# KiCad board 2000ATX.kicad_pcb (continued)
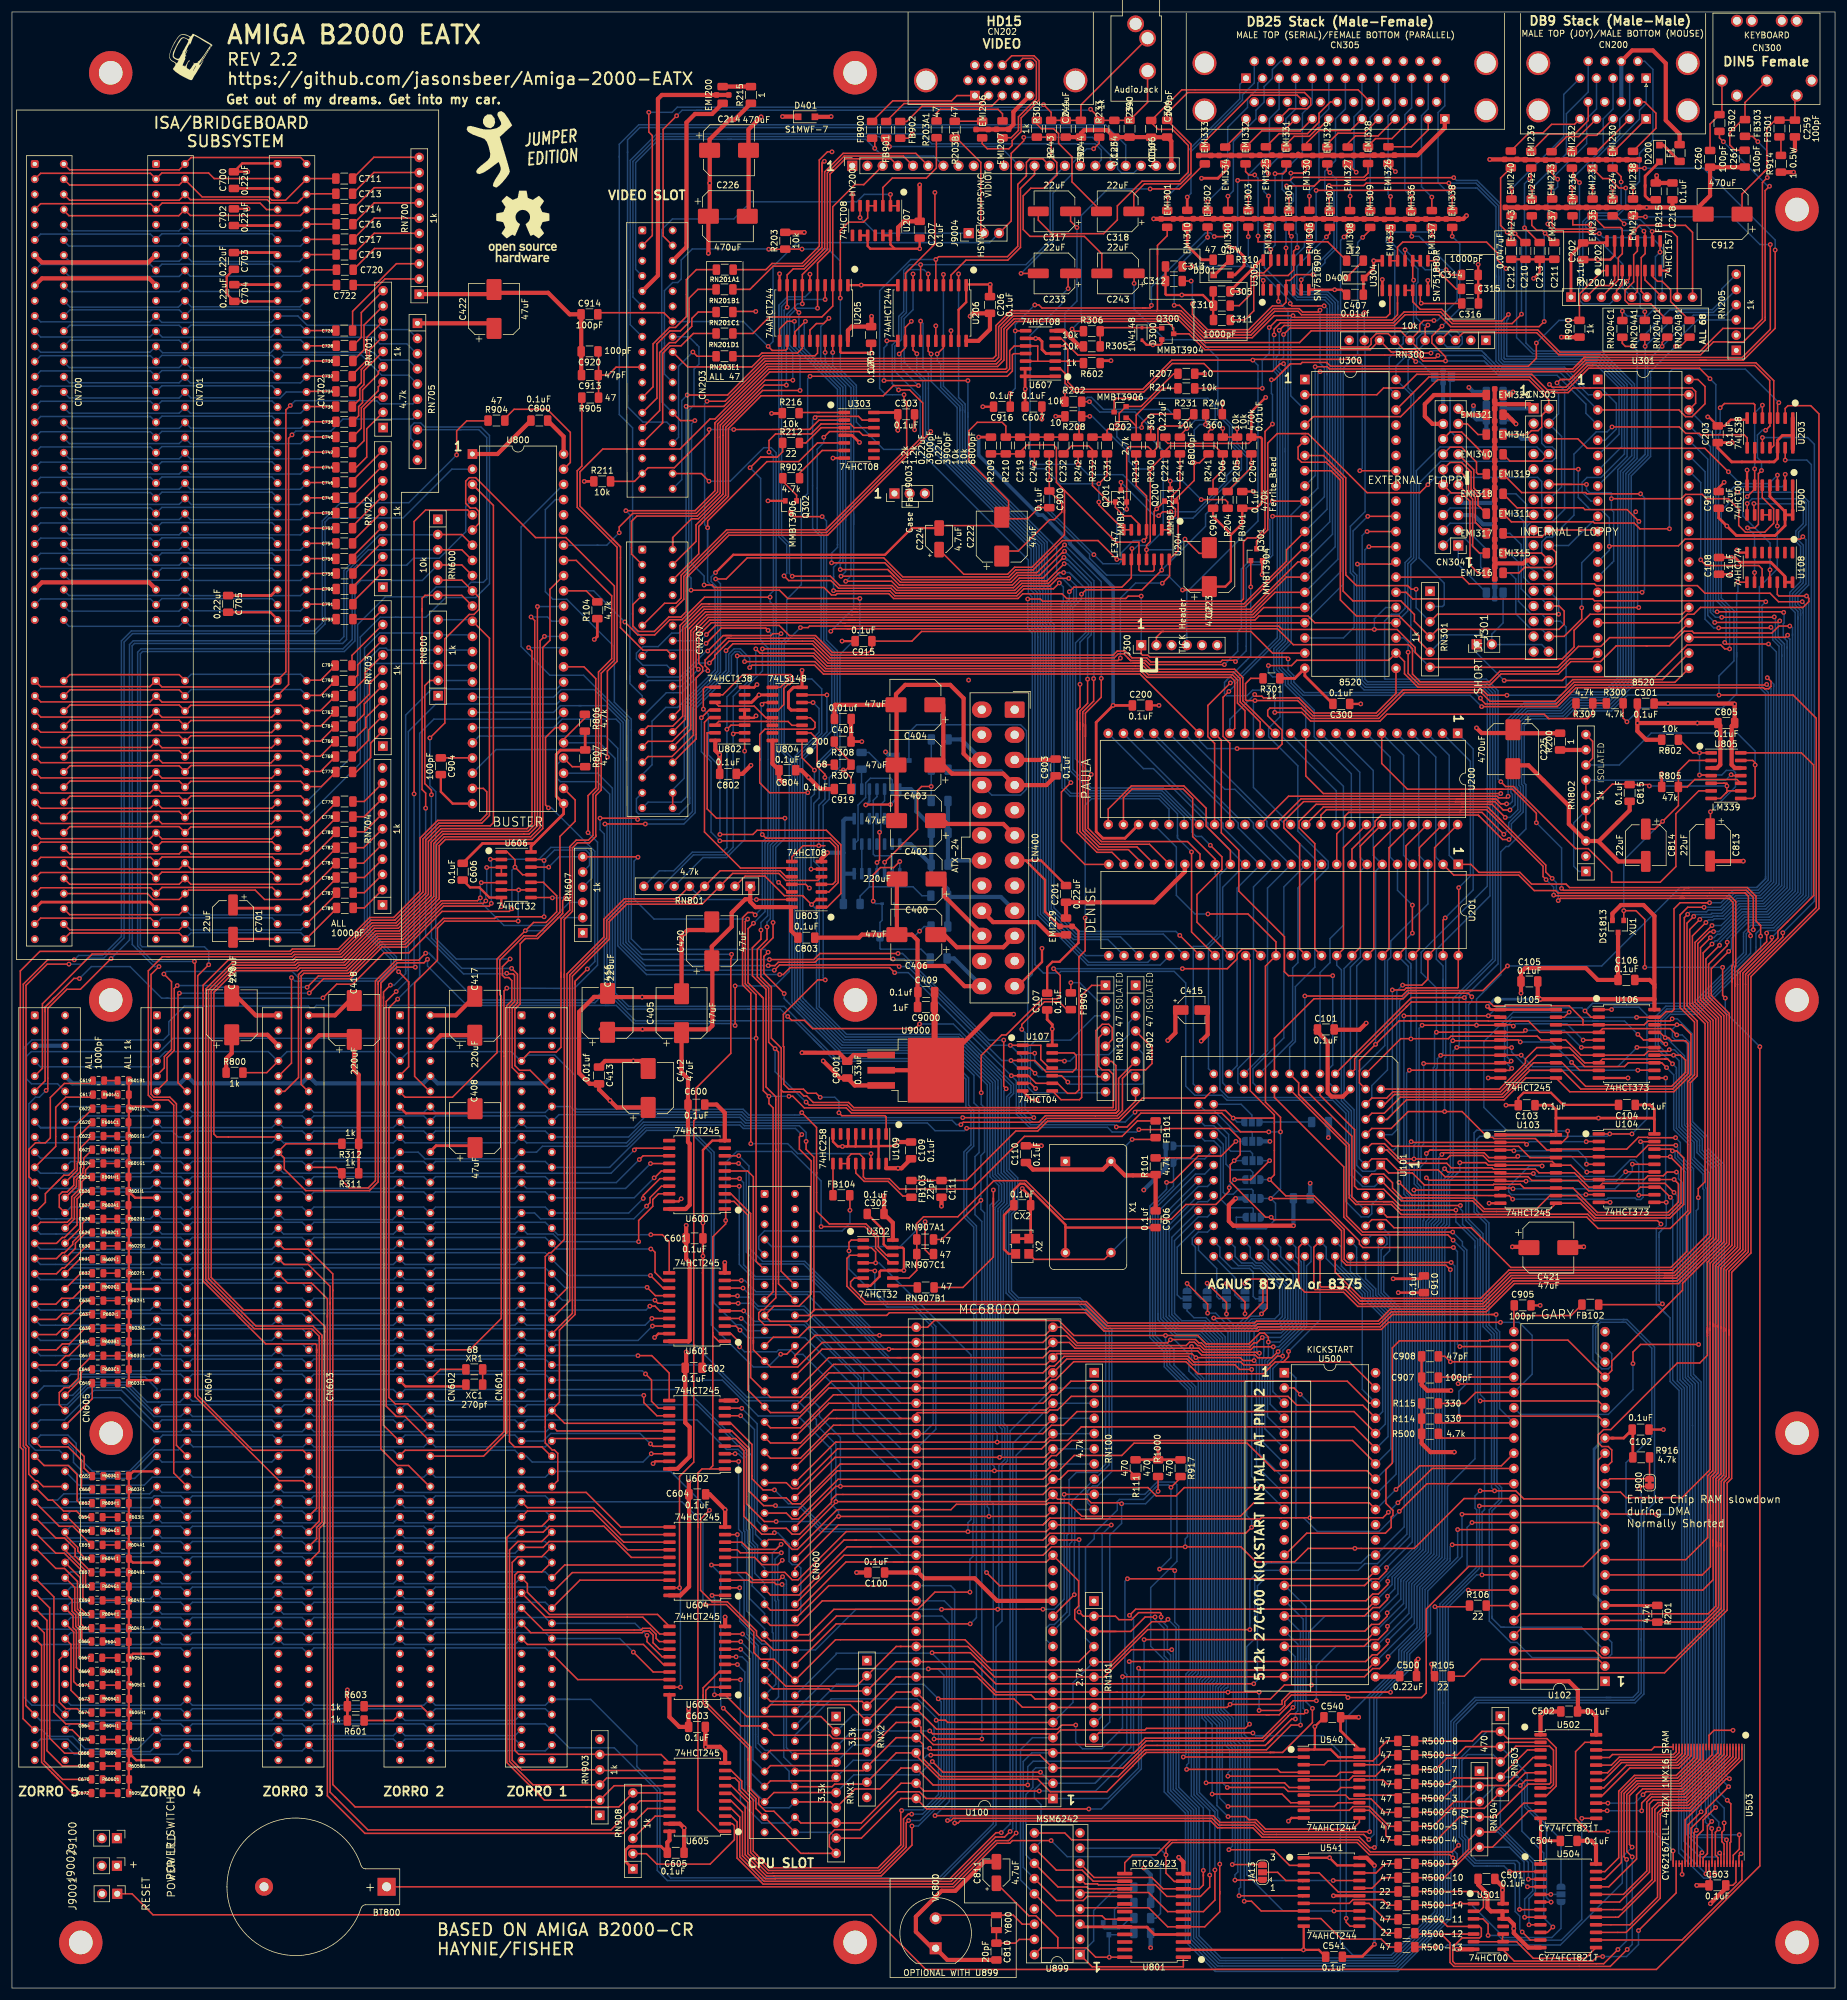
[diagram p0: board, top side]
## Routing (per net, layer and track width the routed paths; a pad name or vN(x,y) marks a point on that pad's centre or on a via; arc(x,y) is an arc through that point) (continued)
_INT3: length 72.6
  Top w0.25: v1(220.81,169.16) 213.41,169.16 212.74,169.83 212.74,175.67 205.12,183.29 205.12,190.1 202.19,193.03 202.19,208.53 U200.17
  Bottom w0.25: v1(220.81,169.16) 220.81,154.24 220.2,153.62 220.2,151.25 U101.17
_INT6: length 513.3
  Top w0.25: v1(69.16,172.92) 68,171.76 64.23,171.76 60.77,168.29 60.77,134.91 59.56,133.7 56.41,133.7 55.17,134.94 R311.2 54.18,137.13 CN603.22 ; v1(204.83,207.11) 211.58,207.11 212.35,207.88 212.35,210.19 209.95,212.59 209.95,213.51 210.33,213.88 215.58,213.88 217.31,212.16 228.51,212.16 232.82,216.47 245.67,216.47 247.11,215.02 257.95,215.02 258.92,215.99 258.94,215.99 261.13,218.19 278.03,218.19 U301.21 ; CN600.22 129.53,105.92 v1(128.53,105.92) ; U200.18 188.61,219.57 135.67,219.57 134.19,221.05 123.74,221.05 v1(123.34,220.65) ; v1(98.32,195.48) 104.39,195.48 v1(104.6,195.28)
  Bottom w0.25: 8.86,137.13 9.84,138.11 28.2,138.11 29.18,137.13 30.16,138.11 48.52,138.11 49.5,137.13 50.48,138.11 68.84,138.11 69.82,137.13 70.8,138.11 89.16,138.11 90.14,137.13 99.92,137.13 106.1,143.32 113.1,143.32 116.94,139.48 116.94,110.79 123.95,103.78 126.39,103.78 v1(128.53,105.92) ; 70.49,172.17 69.73,172.92 ; 69.73,172.92 77.56,165.09 97.27,165.09 99.03,166.85 99.03,192.84 98.32,193.55 v1(98.32,195.48) ; 69.73,172.92 v1(69.16,172.92) ; U200.18 198.53,208.43 199.85,207.11 v1(204.83,207.11) ; v1(104.6,195.28) 112.46,195.28 113.77,196.58 113.77,213.92 119.83,219.98 119.83,222.88 120.73,223.77 121.79,223.77 123.34,222.23 v1(123.34,220.65)
_IPL0: length 215.8
  Top w0.25: U804.9 128.47,217.35 v1(129.87,218.74) ; U100.25 172.63,91.22 v1(164.73,91.22) 137.69,91.22 CN600.40
  Bottom w0.25: U100.25 180.45,92.63 ; v1(129.87,218.74) 133.73,218.74 135.38,217.09 135.38,209.66 131.31,205.59 131.31,165.05 138.8,157.56 157.7,157.56 163.95,151.31 163.95,135.76 165.45,134.26 165.45,131.48 164.4,130.43 164.4,130.11 164.4,93.12 164.73,92.79 v1(164.73,91.22)
_IPL1: length 212.5
  Top w0.25: 147.51,88.68 v1(165.13,88.68) 172.63,88.68 U100.24 ; 147.51,88.68 137.62,88.68 130.91,81.97 CN600.42 ; 147.51,88.68 147.44,88.68 ; U804.7 v1(136.25,216.08)
  Bottom w0.25: U100.24 180.39,90.09 ; v1(136.25,216.08) 136.25,209.89 131.76,205.4 131.76,165.24 132.25,164.76 132.25,164.75 138.99,158.01 157.89,158.01 164.4,151.49 164.4,135.94 165.9,134.45 165.9,131.29 164.85,130.25 164.85,129.8 164.85,94.07 165.53,93.39 165.53,89.08 v1(165.13,88.68)
_IPL2: length 213.9
  Top w0.25: 148.47,86.43 v1(164.25,86.43) 172.92,86.43 U100.23 ; 148.47,86.43 147.25,86.43 ; 148.47,86.43 137.98,86.43 CN600.44 ; U804.6 v1(133.93,214.81)
  Bottom w0.25: U100.23 180.39,87.55 ; v1(133.93,214.81) 134.93,213.81 134.93,209.85 130.86,205.78 130.86,164.86 132.23,163.5 ; v1(164.25,86.43) 164.25,87.13 163.95,87.43 163.95,130.62 165,131.66 165,134.08 163.5,135.57 163.5,151.12 157.51,157.11 138.62,157.11 132.23,163.5 ; 132.23,163.5 132.06,163.66 ; 132.06,163.66 131.71,164.02 ; 132.06,163.66 131.35,164.38
_KBCLK: length 250.7
  Top w0.25: FB302.2 285.48,309.17 v1(286.13,308.52) ; v1(293.85,301.08) 293.11,300.35 293.11,279.19 293.11,278.71 289.48,275.07 284.47,275.07 282.32,272.92 258.6,272.92 254.91,276.61 242.63,276.61 RN300.3 ; U805.6 282.01,200.05 278.19,196.22 278.19,187.39 275.58,184.78 267.45,184.78 267.45,186.49 263.54,190.4 261.42,190.4 251.04,200.78 249.72,200.78 v1(248.92,201.57)
  Bottom w0.25: v1(293.85,301.08) 293.57,301.08 v1(286.13,308.52) ; RN300.3 240.23,276.46 235.73,276.46 234.86,275.59 234.86,274.48 231.39,271.02 U300.40 233.9,266.28 233.9,239.17 232.92,238.19 232.92,230.54 231.93,229.56 230.64,229.56 229.49,228.41 229.49,218.8 229.57,218.72 246.51,218.72 248.46,216.77 248.46,215.17 248.46,202.04 v1(248.92,201.57)
_KBRST: length 182.1
  Top w0.25: 285.31,73.78 285.31,63.63 283.34,61.65 ; 285.31,73.78 285.31,73.93 285.31,84.86 286.16,85.71 286.16,109.74 ; 285.31,73.78 285.31,74.52 ; U805.14 299.18,206.4 301.21,204.37 301.21,182.54 296.88,178.21 296.87,178.21 295.25,176.59 295.25,175.44 289.39,169.59 289.39,123.39 286.16,120.16 286.16,109.74 ; 286.16,109.74 286.16,110.35 ; 283.34,61.65 282.82,61.13 R201.2 274.8,61.42 U102.5 ; 283.34,61.65 283.11,61.42
_LATCH: length 54.1
  Top w0.25: U104.11 v1(276.58,131.29) ; U106.11 v1(276.48,152.07) ; FB102.1 275.82,114.2 v1(275.95,114.33)
  Bottom w0.25: 275.76,126.58 276.58,127.41 v1(276.58,131.29) 276.48,131.39 v1(276.48,152.07) ; 275.76,126.58 275.44,126.26 ; 275.76,126.58 275.38,126.21 275.38,125.44 ; 275.38,125.44 275.38,125.95 ; 275.38,125.44 275.38,114.89 v1(275.95,114.33)
_LDS: length 317.1
  Top w0.25: v1(153.21,53.32) 160.7,53.32 164.16,49.86 ; v1(208.51,49.43) v1(203.3,49.43) 184.81,49.43 ; v1(196.47,117.73) 199.9,114.3 v1(199.9,112.78) ; v1(208.51,46.38) 211.96,46.38 212.79,47.21 212.79,47.85 213.9,48.96 222.95,48.96 v1(223.37,48.54) 235.69,48.54 236.45,49.3 236.45,63.33 243.57,70.45 262.68,70.45 U102.10 ; 164.03,49.99 164.16,49.86 ; 164.16,49.86 164.57,49.45 U100.8 180.87,49.45 RN101.7 184.81,49.43 ; U605.7 120.25,33.81 123.03,31.03 123.03,22.46 126.33,19.17 127.22,19.17 127.24,19.19 145.15,19.19 149.5,23.55 149.5,27.58 v1(149.91,27.99) ; 184.81,49.43 184.61,49.43
  Bottom w0.25: v1(149.91,27.99) 151.81,27.99 155.81,31.99 155.81,52.29 154.78,53.32 v1(153.21,53.32) 137.9,53.32 CN600.70 ; JA12.1 v1(196.47,117.73) ; 174.07,49.43 U100.8 ; v1(203.3,49.43) 203.74,49.87 203.74,110.27 201.24,112.78 v1(199.9,112.78) 199.82,112.86 JA11.3 ; v1(208.51,49.43) v1(208.51,46.38)
_LED: length 251.9
  Top w0.25: U304.2 230.38,279.77 229.77,279.16 214.46,279.16 v1(214.17,279.45) 211.02,279.45 207.34,275.76 199.35,275.76 195.28,279.84 167.18,279.84 164.96,277.61 164.96,272.46 164.34,271.85 125.93,271.85 119.24,265.15 v1(116.21,265.15) ; v1(116.31,244.02) 116.31,245.15 126.22,255.07 131.55,255.07 134.67,258.19 U303.5
  Bottom w0.25: v1(116.31,244.02) 116.31,239.01 ; v1(116.31,244.02) 116.31,235 117.55,233.75 117.55,220.25 111.29,213.99 109.31,213.99 107.01,211.69 107.01,204.39 105.38,202.77 ; v1(116.31,244.02) 115.81,244.52 115.81,253.12 ; v1(116.21,265.15) 115.81,264.75 115.81,253.12 ; 115.81,253.12 115.81,252.75 ; v1(214.17,279.45) 213.8,279.07 213.8,266.06 U300.3
_MC1: length 242.3
  Top w0.25: v1(210.74,261.34) 209.5,260.1 209.5,243.84 207.97,242.31 206.55,242.31 205.89,241.66 205.89,232.11 205.53,231.74 172.31,231.74 171.94,232.11 v1(169.82,232.11) ; v1(260.17,278.67) R900.2 262.07,278.67 262.07,283.09 265.96,286.98 U202.1 ; v1(210.57,268.73) 211.07,268.73 213.74,271.4 ; v1(254.86,274.88) 254.86,272.34 253.53,271 220.46,271 219.89,271.56 219.89,271.64 215.71,271.64 215.47,271.4 213.74,271.4 ; 212.04,269.7 213.74,271.4
  Bottom w0.25: v1(254.86,274.88) 258.65,278.67 v1(260.17,278.67) ; v1(169.82,232.11) 169.82,227.18 170.59,226.41 170.59,169.37 169.82,168.6 169.82,150.57 170.8,149.59 182.66,149.59 RN102.8 ; v1(210.74,261.34) 210.74,266.27 210.57,266.45 v1(210.57,268.73)
_MTR: length 237.8
  Top w0.25: U108.12 295.15,232.87 295.4,232.61 v1(300.02,232.61) 300.42,232.21 300.42,231.69 299.44,230.7 282.31,230.7 281.17,229.56 280.12,229.56 278.7,228.14 U301.17 ; 284.41,73.9 284.41,85.24 285.26,86.09 285.26,110.46 ; 284.41,73.9 284.41,68.22 282.69,66.5 U102.7 ; 284.41,73.9 284.41,74.59 ; 285.26,110.46 285.26,120.54 288.49,123.76 288.49,167.69 288.49,169.96 292.95,174.41 ; 285.26,110.46 285.26,110.73 ; 284.41,74.59 284.41,74.89 284.41,74.59 ; 292.95,174.41 293.37,174.84 v1(293.37,176.28) ; 292.95,174.41 293.17,174.63
  Bottom w0.25: 295.36,177.33 294.72,176.7 293.54,176.7 293.37,176.53 v1(293.37,176.28) ; 295.36,177.33 295.11,177.08 ; 295.36,177.33 300.39,182.36 300.39,232.25 v1(300.02,232.61)
_OEB: length 165.6
  Top w0.25: U103.19 259.17,141.3 260.1,142.23 v1(260.1,143.21) ; v1(260.35,163.07) 259.51,162.23 U105.19
  Bottom w0.25: 249.25,161.32 249.1,161.17 ; 249.25,161.32 250.99,163.07 v1(260.35,163.07) ; 249.25,161.32 246.09,158.16 246.09,147.16 250.04,143.21 ; U102.4 267.47,57.75 267.47,55.8 266.88,55.21 254.16,55.21 251.62,57.75 250.56,57.75 246.99,61.33 246.99,79.91 248.6,81.52 248.6,83.43 247.82,84.21 247.82,109.29 246.48,110.62 246.48,127.66 244.45,129.69 244.45,142.9 244.9,143.35 249.89,143.35 250.04,143.21 ; 250.04,143.21 v1(260.1,143.21)
_OEL: length 162.5
  Top w0.25: v1(270.84,142.72) v1(267.13,142.72) U104.1 ; U106.1 v1(267.44,163.5)
  Bottom w0.25: U102.3 262.39,60.29 249.47,60.29 ; 248.08,142.32 247.57,142.32 ; 248.08,142.32 266.73,142.32 v1(267.13,142.72) ; 248.08,142.32 245.4,142.32 244.9,141.83 244.9,129.88 246.93,127.85 246.93,110.81 248.27,109.47 248.27,84.4 249.05,83.62 249.05,81.34 247.44,79.72 247.44,61.82 248.96,60.29 249.47,60.29 ; 247.44,61.93 247.44,62.13 ; v1(267.44,163.5) 267.84,163.9 272.02,163.9 273.35,162.56 273.35,145.24 v1(270.84,142.72) ; 249.47,60.29 249.08,60.29
_OVR: length 476.9
  Top w0.25: 36.17,142.21 36.17,142.21 ; 36.17,142.21 44.42,142.21 ; 36.17,142.21 34.24,142.21 33.76,142.7 33.76,166.39 37.38,170.01 47.73,170.01 48.18,170.46 55.85,170.46 61.12,175.74 65.15,175.74 71.42,182.02 71.42,190.88 72.47,191.92 86.91,191.92 88.75,193.76 88.75,224.01 89.94,225.2 89.94,233.73 U800.40 ; R115.1 242.89,97.69 244.72,99.52 U102.29 ; v1(248.86,111.24) 230.14,111.24 228.94,110.05 208.58,110.05 208.31,109.77 182.59,109.77 179.51,112.84 146.69,112.84 146.25,112.4 133.9,112.4 132.9,111.4 126.81,111.4 CN600.17 127.39,113.94 131.59,113.94 133.62,115.97 133.62,138.2 131.65,140.17 131.65,142.22 v1(132.05,142.62)
  Bottom w0.25: 24.1,142.21 25.08,141.23 43.44,141.23 44.42,142.21 45.4,141.23 63.76,141.23 64.74,142.21 65.72,141.23 84.08,141.23 85.06,142.21 86.04,141.23 102.75,141.23 105.73,144.22 121.69,144.22 122.27,143.64 130.98,143.64 132.02,142.61 ; U102.29 254.16,102.57 254.16,109.06 251.98,111.24 v1(248.86,111.24) ; CN604.17 23.25,141.23 4.79,141.23 CN605.17
_OWN: length 281.6
  Top w0.25: 91.8,168.94 91.8,178.65 93.26,180.12 93.26,190.73 94.34,191.81 96.36,191.81 97.15,192.6 97.15,199.45 98.06,200.36 98.06,219.91 100.27,222.11 100.27,232.63 94.35,238.56 U800.41 ; 91.8,168.94 91.8,169.74 ; 91.8,168.94 91.8,157.2 91.01,156.41 86.56,156.41 85.06,154.91 ; v1(132.05,146.28) 134.52,143.81 134.52,136.3 ; R800.2 42.6,152.96 CN603.7 ; 134.52,136.01 134.52,136.3 ; 134.52,136.3 134.52,129.81 136.65,127.68 142.78,127.68 144.85,125.62 144.85,123.82 146.23,122.44 U302.12 146.84,122.44
  Bottom w0.25: 85.06,154.91 83.5,156.47 66.3,156.47 64.74,154.91 63.18,156.47 45.98,156.47 44.42,154.91 42.86,156.47 25.66,156.47 23.12,153.93 4.76,153.93 3.78,154.91 ; CN601.7 86.17,155.89 90.74,155.89 94.1,152.54 94.1,147.2 94.46,146.84 122.25,146.84 123.2,145.89 131.67,145.89 132.06,146.28
_PACK: length 203.7
  Top w0.25: 140.98,228.59 207.82,228.59 208.49,229.27 216.69,229.27 217.82,228.14 U300.24 ; 140.98,228.59 139.8,228.59 ; 140.98,228.59 116.66,228.59 114.38,226.32 114.38,220.74 v1(114.76,220.37) ; v1(236.73,277.88) 236.27,277.42 RN300.5 ; EMI335.1 v1(230.48,292.1)
  Bottom w0.25: v1(236.73,277.88) 236.01,277.88 234.79,279.1 234.79,284.77 235.07,285.05 235.07,287.25 230.48,291.84 v1(230.48,292.1) ; U300.24 233.37,230.12 233.37,238 234.35,238.98 234.35,266.47 233.43,267.39 233.43,272.03 236.27,274.88 RN300.5 ; v1(114.76,220.37) 111.89,217.51 CN207.20
_RAMEN: length 96.4
  Top w0.25: U102.20 264.93,100.93 241.84,100.93 v1(241.78,100.99) ; U101.25 211.07,148.81 222.67,137.22 222.67,128.83 225.65,125.85 240.06,125.85 v1(240.94,124.97)
  Bottom w0.25: v1(240.94,124.97) 242.79,123.13 242.79,101.99 v1(241.78,100.99)
_RAS0: length 135.1
  Top w0.25: U541.17 225.27,17.96 v1(220.9,17.96)
  Bottom w0.25: v1(220.9,17.96) 208.42,17.96 206.92,19.47 206.92,41.49 205.99,42.42 205.99,109.94 207.42,111.37 211.56,111.37 212.4,112.21 212.4,117.13 208.83,120.71 207.84,120.71 207.39,121.16 205.58,121.16 204.49,122.25 204.49,123.78 U101.57
_RAS1: length 135.5
  Top w0.25: v1(221.04,12.88) U541.13
  Bottom w0.25: 221.15,12.88 v1(221.04,12.88) 212.52,12.88 206.47,18.93 206.47,41.18 205.54,42.11 205.54,110.13 207.23,111.82 211.13,111.82 211.95,112.64 211.95,116.95 208.64,120.26 207.65,120.26 207.2,120.71 205.02,120.71 U101.56
_REGEN: length 101.2
  Top w0.25: v1(241.91,95.53) 241.94,95.56 265.22,95.56 U102.18 ; U101.23 213.61,150.2 223.12,140.69 223.12,129.02 225.82,126.32 v1(240.87,126.32)
  Bottom w0.25: v1(240.87,126.32) 242.5,124.69 242.5,124.05 243.24,123.31 243.24,101.05 241.91,99.72 v1(241.91,95.53)
_ROMEN: length 271
  Top w0.25: U102.21 260.14,108.26 246.99,108.26 246.87,108.15 231.96,108.15 230.77,106.96 230.77,87.69 229.72,86.64 229.72,80.98 230.89,79.81 230.89,78.99 230.59,78.7 230.59,76.97 229.62,76 216.47,76 212.8,72.34 ; U102.21 267.47,103.18 267.47,104.78 274.79,112.1 ; U102.21 265.22,103.18 ; 274.79,112.1 279.3,116.61 279.3,117.75 286.21,124.67 286.21,162.49 283.21,165.49 283.21,171.96 v1(285.5,174.24) ; 274.79,112.1 277.03,114.33 ; U900.9 291.24,246.29 v1(291.24,248.06)
  Bottom w0.25: 290.19,178.95 291.21,178.95 ; 291.21,178.95 293.79,178.95 298.14,183.29 298.14,229.84 297.24,230.74 297.24,233.21 299.04,235.01 299.04,240.91 298.24,241.71 298.24,243.45 299.49,244.7 299.49,247.43 298.91,248.01 291.29,248.01 v1(291.24,248.06) ; 291.21,178.95 289.7,178.95 285.5,174.75 v1(285.5,174.24)
_RST: length 720
  Top w0.25: v1(245.77,69.04) U102.41 ; 242.31,199.6 v1(248.91,199.6) ; 242.31,199.6 219.25,199.6 216.31,202.54 U200.11 ; 242.31,199.6 242.82,199.6 ; v1(178.41,74.93) 178.33,74.85 U100.18 172.92,73.73 143.61,73.73 139.63,73.73 131.59,65.68 126.81,65.68 CN600.53 ; v1(212.6,271.42) 212.01,271.42 210.74,270.15 200.58,270.15 199.29,271.45 193.98,271.45 189.23,266.7 177.55,266.7 176.07,268.18 176.07,269.8 175.31,270.56 174.33,270.56 ; v1(242.82,165.51) 233.98,165.51 U101.16 ; v1(178.41,62.84) 179.12,62.13 RN101.2 184.51,62.13 185.08,61.56 187.19,61.56 188.36,62.73 191.97,62.73 192.13,62.57 v1(192.13,62) 192,61.87
  Bottom w0.25: CN604.53 23.42,96.49 19.13,100.78 12.54,100.78 9.23,97.47 4.79,97.47 CN605.53 ; 212.9,267.2 212.9,270.97 ; 212.9,267.2 212.9,267.36 ; 212.9,267.2 212.9,256.7 ; 212.9,270.97 212.9,271.23 ; 212.9,270.97 212.6,271.27 v1(212.6,271.42) ; v1(242.82,165.51) 242.93,165.4 ; v1(242.82,165.51) 243.08,165.25 243.08,128.27 245.49,125.85 245.49,124.08 ; v1(242.82,165.51) 248.46,171.14 248.46,199.14 v1(248.91,199.6) ; 212.9,256.7 212.9,225.08 211.42,223.6 211.42,220.29 212.9,218.82 212.9,217.74 216.31,214.33 U200.11 ; 212.9,256.7 212.9,257.3 ; 245.49,124.08 245.49,99.15 246.2,98.45 246.2,79.94 245.79,79.53 245.79,69.94 245.77,69.93 v1(245.77,69.04) 244.88,69.04 239.65,63.8 239.65,12.01 231.33,3.69 202.31,3.69 201.54,3.69 197.1,8.13 197.1,29.59 193.71,32.98 193.71,55.66 193.18,56.19 193.18,60.38 192.13,61.44 v1(192.13,62) ; 245.49,124.08 245.49,125.28 ; CN600.53 125.83,67.66 124.2,69.29 124.2,73.78 123.42,74.56 123.42,76.61 123.24,76.78 123.24,88.78 114.52,97.5 114.49,97.47 86.17,97.47 CN601.53 ; 85.06,96.49 84.08,97.47 65.72,97.47 64.74,96.49 ; 24.1,96.49 25.08,97.47 43.44,97.47 44.42,96.49 ; v1(178.41,62.84) v1(178.41,74.93) ; CN603.53 45.53,97.47 63.89,97.47 CN602.53
_RxD: length 95.6
  Top w0.25: U305.3 v1(211.73,281.84)
  Bottom w0.25: U200.41 223.93,202.91 217.72,209.11 217.72,213.55 213.35,217.92 213.35,219.01 211.87,220.48 211.87,223.42 213.35,224.89 213.35,280.23 v1(211.73,281.84)
_SEL0: length 256.4
  Top w0.25: U102.16 265.22,88.23 265.22,83.74 266.09,82.86 268.94,82.86 269.85,81.95 279.22,81.95 283.91,86.64 283.91,109.97 ; 271.32,241 271.02,241 ; 271.32,241 278.61,241 279.74,242.12 299.02,242.12 v1(299.42,242.52) ; 271.32,241 267.16,241 v1(267.06,240.9) ; 283.91,109.97 283.91,110.94 ; 283.91,109.97 283.91,110.27 ; 283.91,110.94 283.91,111.29 ; 283.91,110.94 283.91,121.09 287.11,124.3 287.11,162.86 284.11,165.87 284.11,170.32 v1(287.02,173.23) ; CN303.10 v1(261.87,253.8)
  Bottom w0.25: 262.33,248.61 261.87,249.07 v1(261.87,253.8) ; 262.33,248.61 261.93,249.01 ; 262.33,248.61 263.89,247.05 265.67,247.05 267.06,245.65 v1(267.06,240.9) 267.06,240.24 U301.13 ; v1(299.42,242.52) 299.94,242 299.94,234.64 298.14,232.84 298.14,231.11 299.04,230.21 299.04,229.39 ; 291.85,178.05 290.13,178.05 287.49,175.41 287.49,173.7 v1(287.02,173.23) ; 291.85,178.05 294.16,178.05 299.04,182.92 299.04,229.39 ; 291.85,178.05 290.56,178.05 ; 299.04,229.39 299.04,229.72
_SEL1: length 70.9
  Top w0.25: v1(263.25,251.26) CN303.12 260.76,251.26 ; U900.5 292.63,249.08 294.53,247.19 294.53,244.75 293.05,243.27 289.82,243.27 288.7,244.39 288.7,247.14 286.97,248.87 283.31,248.87 282.59,249.59 279.83,249.59 279.11,248.87 v1(267.41,248.87)
  Bottom w0.25: 264.57,249.88 263.76,249.88 263.25,250.39 v1(263.25,251.26) ; 264.57,249.88 267.32,249.88 267.41,249.78 v1(267.41,248.87) 267.41,247.04 267.79,246.66 267.79,238.43 267.49,238.13 ; 264.57,249.88 265.38,249.88 ; 267.51,238.15 267.49,238.13 ; 267.49,238.13 U301.14
_SEL2: length 48.7
  Top w0.25: EMI319.1 252.4,249.89 263.11,249.89 263.32,249.68 v1(272.29,249.68) ; U301.15 v1(272.54,233.22)
  Bottom w0.25: v1(272.29,249.68) 272.94,249.03 272.94,233.62 v1(272.54,233.22)
_SEL3: length 46
  Top w0.25: U301.16 v1(271.98,230.68) ; EMI318.1 251.63,247.35 262.68,247.35 262.98,247.05 270.04,247.05 v1(272.01,245.08)
  Bottom w0.25: v1(272.01,245.08) 271.79,244.86 271.79,230.88 v1(271.98,230.68)
_SIDE: length 35.3
  Top w0.25: CN303.32 259.51,225.86 262.45,228.79 v1(262.45,230.63)
  Bottom w0.25: CN303.32 255.76,227.03 254.03,227.03 251.42,229.63 251.42,235.46 250.41,236.47 EMI313.1 ; v1(262.45,230.63) 262.45,238.16 U301.12
_SLAVE1: length 145.5
  Top w0.25: 3.78,152.37 5.09,153.68 5.09,164.47 13.4,172.78 46.67,172.78 47.07,173.18 54.74,173.18 60.01,178.44 64.03,178.44 64.03,178.45 68.71,183.14 68.71,192.01 71.37,194.66 78.56,194.66 79.83,195.94 79.83,225.55 U800.12 76.73,228.65
  Bottom w0.25: 76.73,228.65 RN800.6 70.93,228.96
_SLAVE2: length 133.7
  Top w0.25: 24.1,152.37 25.48,153.75 25.48,155.65 26.68,156.85 26.68,168.17 25.5,169.34 25.48,169.32 ; 76.73,226.11 U800.13
  Bottom w0.25: 25.5,169.34 25.48,169.32 ; 76.73,226.11 RN800.5 70.93,226.42 61.46,226.42 58.95,223.91 58.95,176.36 63.38,171.93 63.38,170.51 62.49,169.62 ; v1(25.4,169.44) 25.83,169.87 46.87,169.87 48.03,168.71 61.58,168.71 62.49,169.62 ; 61.68,168.81 62.49,169.62
_SLAVE3: length 108.5
  Top w0.25: 76.73,223.57 U800.14 ; CN603.9 46.73,154.55 v1(46.73,168.84)
  Bottom w0.25: 46.71,168.86 47.31,168.26 61.76,168.26 62.43,168.92 ; 59.4,221.12 59.4,176.55 63.83,172.11 63.83,170.32 62.43,168.92 ; 59.4,221.12 59.4,221.2 ; 59.4,221.12 59.4,221.82 61.46,223.88 62.54,223.88 62.85,223.57 RN800.4 76.73,223.57 ; 62.43,168.92 61.87,168.36
_SLAVE4: length 90.9
  Top w0.25: 66.32,168.1 66.32,167.64 ; 66.32,167.64 66.32,153.95 64.74,152.37 ; 66.32,167.64 66.32,168.15 v1(64.64,169.82) ; 76.73,221.03 U800.15
  Bottom w0.25: 59.85,219.54 59.85,219.23 ; 59.85,219.23 59.85,176.73 64.28,172.3 64.28,170.19 v1(64.64,169.82) ; 59.85,219.23 59.85,221.33 59.86,221.34 70.93,221.34 RN800.3 76.73,221.03 ; 64.28,170.14 64.59,169.82
_SLAVE5: length 86
  Top w0.25: 85.06,152.37 83.63,153.8 83.63,163.79 83.67,163.79 84.51,164.63 84.51,169.41 v1(83.54,170.38) ; RN800.2 69.88,218.49 69.02,217.63 69.02,201.26 70.13,200.15 v1(70.13,199.39) ; 76.73,218.49 U800.16
  Bottom w0.25: RN800.2 76.73,218.49 ; v1(83.54,170.38) 75.21,170.38 70.13,175.46 v1(70.13,199.39)
_STEP: length 23.3
  Top w0.25: EMI316.1 251.97,236.47 252.88,237.38 257.5,237.38 258.12,237.99 258.12,239.92 CN303.20
  Bottom w0.25: U301.10 260.25,241.05 256.99,241.05 CN303.20
_TxD: length 122
  Top w0.25: U304.9 U304.10 234.19,285.55 v1(234.34,285.39) ; v1(212.6,276.3) 213.66,277.36 233.98,277.36 v1(234.37,277.75)
  Bottom w0.25: U200.40 221.39,200.08 212.45,209.02 212.45,218.63 210.97,220.11 210.97,223.79 212.45,225.26 212.45,270 211.84,270.61 211.84,271.74 212.6,272.5 v1(212.6,276.3) ; v1(234.37,277.75) 234.34,277.77 v1(234.34,285.39)
_UDS: length 321.5
  Top w0.25: v1(150.42,29.06) 149.85,29.06 149.05,28.26 149.05,23.73 144.96,19.64 126.5,19.64 123.48,22.65 123.48,31.21 121.57,33.13 121.57,34.4 120.89,35.08 U605.8 ; v1(199.82,117.77) 203.06,114.53 v1(203.06,112.63) ; 225.4,49.43 v1(230.48,49.43) 214.53,49.43 ; U102.11 265.22,77.78 v1(244.1,77.78) ; v1(154.86,48.33) 167.54,48.31 168.94,46.91 U100.7 174.07,46.89 RN101.8 203.15,46.89 v1(203.66,47.4) 212.34,47.4 212.34,48.03 213.73,49.43 214.53,49.43 ; 214.53,49.43 220.57,49.43
  Bottom w0.25: 155.36,45.4 155.36,44.79 ; 155.36,44.79 155.36,32.18 152.24,29.06 v1(150.42,29.06) ; 155.36,44.79 155.36,47.83 v1(154.86,48.33) 152.44,50.76 137.87,50.76 CN600.72 ; v1(230.48,49.43) 230.48,50.03 233.66,53.22 233.66,55.78 237.16,59.27 237.16,64.04 243.29,70.17 243.29,76.97 v1(244.1,77.78) ; 174.17,47.04 U100.7 ; v1(203.66,47.4) 204.19,47.93 204.19,110.88 203.06,112.01 v1(203.06,112.63) JA10.3 ; JA11.1 v1(199.82,117.77)
_VC1: length 240.6
  Top w0.25: v1(132.77,148.04) 133.29,147.53 139.67,147.53 140.53,146.67 184.41,146.67 184.57,146.83 184.57,154.14 183.87,154.84 RN102.6 ; 116.51,251.77 v1(116.54,251.79) 115.26,253.07 CN203.34 ; CN600.16 128.15,117.68 128.15,156.4 v1(127.59,156.97) 126.51,158.04 126.51,167.07 124.61,168.97 124.61,173.58 126.24,175.21 v1(126.24,177.29)
  Bottom w0.25: 127.76,228.14 127.76,191.94 126.8,190.98 126.8,178.67 126.24,178.11 v1(126.24,177.29) ; 127.76,228.14 127.76,229.01 ; 127.76,228.14 127.76,229.56 ; v1(127.59,156.97) 127.59,153.12 v1(132.77,148.04) ; v1(116.54,251.79) 120.08,251.79 125.69,257.39 126.92,257.39 127.76,256.55 127.76,229.01 ; 127.76,229.01 127.76,229.26
_VC3: length 213.6
  Top w0.25: 120.26,226 118.91,226 v1(116.33,223.42) ; 120.26,226 126.9,226 127.22,226.31 v1(128.57,226.31) ; 120.26,226 119.19,226 ; CN600.14 128.6,119.77 128.6,150.07 ; 128.6,150.07 128.94,149.74 131.71,149.74 132.38,149.06 132.88,149.06 133.96,147.98 139.88,147.98 140.74,147.12 168.15,147.12 ; 128.6,150.07 128.6,157.08 126.96,158.72 126.96,167.25 125.21,169 125.21,173.47 127.25,175.51 v1(127.25,178.05) ; RN102.4 181.7,158.79 181.7,154.01 182.29,153.42 183.37,153.42 184.12,152.67 184.12,147.19 184.05,147.12 168.15,147.12 ; 168.15,147.12 168.5,147.12
  Bottom w0.25: v1(127.25,178.05) 127.25,190.79 128.21,191.76 128.21,224.72 ; 128.21,224.72 128.21,225.6 ; 128.21,224.72 128.21,225.95 v1(128.57,226.31) ; 112.55,219.88 111.73,219.07 106.36,219.07 CN207.17 ; 112.55,219.88 112.23,219.57 112.24,219.57 ; 112.55,219.88 116.09,223.42 v1(116.33,223.42)
_VMA: length 306.5
  Top w0.25: U100.19 183.77,77.39 v1(183.79,77.37) ; U100.19 172.92,76.27 v1(159.83,76.27) 139.48,76.27 131.44,68.22 130.44,68.22 129.2,69.46 126.09,69.46 CN600.51 ; U100.19 173.96,77.47 ; U302.2 143.68,123.71 144.39,123 v1(144.39,121.17) U302.4
  Bottom w0.25: 24.1,99.03 25.08,100.01 43.44,100.01 44.42,99.03 45.4,100.01 63.76,100.01 64.74,99.03 65.72,100.01 84.08,100.01 85.06,99.03 ; CN604.51 24.23,100.12 22.25,102.1 11.64,102.1 10.13,100.59 5.37,100.59 CN605.51 ; 122.8,89.86 122.67,89.99 ; 122.8,89.86 123.69,88.97 123.69,76.97 123.87,76.79 123.87,74.75 124.65,73.96 124.65,71.38 125.83,70.2 CN600.51 ; 122.8,89.86 112.65,100.01 86.17,100.01 CN601.51 ; v1(144.39,121.17) 144.96,121.17 160.35,105.79 160.35,78.28 159.83,77.77 v1(159.83,76.27) ; RN101.9 181.15,44.35 182.27,45.47 182.27,75.84 v1(183.79,77.37)
_VPA: length 395.7
  Top w0.25: v1(185.52,80.92) 185.36,81.08 180.43,81.08 179.84,81.67 174.84,81.67 U100.21 172.85,81.28 v1(137.74,81.28) 137.74,81.11 CN600.48 ; R1000.2 v1(191.62,83.01) ; v1(207.47,42.62) 207.42,42.66 181.76,42.66 RN101.10 ; v1(237.34,54.13) 237.34,52.6 R105.1 237.85,52.1
  Bottom w0.25: 137.74,81.27 v1(137.74,81.28) 137.74,90.85 134.49,94.11 134.49,95.01 131.38,98.12 122.87,98.12 116.87,104.11 CN601.48 ; v1(207.47,42.62) 207.92,42.16 209.35,42.16 ; 90.14,104.11 89.16,105.09 70.8,105.09 69.82,104.11 68.84,105.09 50.48,105.09 49.5,104.11 48.52,105.09 30.16,105.09 29.18,104.11 28.2,105.09 9.84,105.09 8.86,104.11 ; v1(237.34,54.13) 237.85,53.62 237.85,12.75 230.58,5.49 224.21,5.49 222.1,7.59 222.1,39.33 219.26,42.16 209.35,42.16 ; 208.53,42.16 209.35,42.16 ; RN101.10 183.53,44.44 183.53,75.65 185.52,77.64 v1(185.52,80.92) 189.53,80.92 v1(191.62,83.01)
_VSYNC: length 459.3
  Top w0.25: v1(245.52,215.54) 245.52,215.4 246.34,214.57 258.15,214.57 261.32,217.74 293.28,217.74 v1(293.37,217.83) ; U101.79 229.93,128.82 263.29,128.82 265.18,126.94 277.25,126.94 280.16,129.84 280.16,151.46 281.3,152.6 281.3,161.42 278.89,163.83 278.89,179.32 280.16,180.59 v1(282.91,180.59) ; v1(213.36,222.1) 213.08,222.38 190.25,222.38 189.91,222.72 189.01,222.72 188.8,222.94 J300.1 ; CN203.26 111.77,261.92 v1(114.17,261.92) ; v1(188.8,232.59) 186.63,232.59 186.23,232.19 176.34,232.19 175.56,232.98 168.99,232.98 168.2,232.19 147.4,232.19 146.6,233 137.94,233 137.71,232.78 137.02,232.78 135.76,234.03 117.47,234.03 117.06,234.44 v1(115.72,234.44) ; v1(146.88,299.72) U207.2 U207.1
  Bottom w0.25: v1(115.72,234.44) 115.72,235.94 113.6,238.06 113.61,261.36 v1(114.17,261.92) ; J300.1 v1(188.8,232.59) ; v1(245.52,215.54) 244.59,216.47 216.07,216.47 214.32,218.22 214.32,219.31 213.36,220.26 v1(213.36,222.1) ; CN203.26 108.64,265.05 108.64,293.83 110.42,295.62 120.69,295.62 123.55,298.48 141.25,298.48 142.49,299.72 v1(146.88,299.72) ; v1(293.37,217.83) 294.09,217.11 294.09,184.97 292.11,183 288.02,183 285.62,180.59 v1(282.91,180.59)
